# KiCad board haptic display 8x8 aisler.kicad_pcb (continued)
## Routing (per net, layer and track width the routed paths; a pad name or vN(x,y) marks a point on that pad's centre or on a via; arc(x,y) is an arc through that point) (continued)
  In2.Cu w0.15: 50.41,123.98 50.36,123.96 50,123.6 50,123.55 49.79,123.56 49.59,123.6 49.39,123.67 49.2,123.76 49.03,123.88 48.88,124.03 48.75,124.19 48.64,124.38 48.56,124.58 48.51,124.79 48.49,125 48.5,125.22 48.54,125.43 48.61,125.64 48.71,125.83 48.84,126.01 48.99,126.17 49.16,126.31 49.35,126.42 49.56,126.5 49.78,126.55 50,126.58 50.22,126.56 50.45,126.52 50.66,126.45 50.86,126.34 51.05,126.21 51.22,126.05 51.36,125.87 51.47,125.67 51.56,125.46 51.62,125.23 51.64,125 51.63,124.77 51.58,124.54 51.51,124.31 51.4,124.1 51.26,123.91 51.09,123.74 50.91,123.59 50.7,123.47 50.48,123.38 50.24,123.32 50,123.3 49.78,123.31 49.56,123.35 49.34,123.41 49.14,123.51 48.95,123.63 48.78,123.78 48.62,123.94 48.49,124.13 48.39,124.33 48.31,124.55 48.26,124.77 48.24,125 48.25,125.23 48.29,125.46 48.36,125.68 48.46,125.89 48.58,126.09 48.73,126.27 48.9,126.43 49.1,126.56 49.31,126.67 49.53,126.75 49.76,126.8 50,126.83 50.24,126.81 50.48,126.77 50.7,126.7 50.92,126.6 51.13,126.47 51.31,126.31 51.48,126.13 51.62,125.93 51.73,125.72 51.81,125.49 51.87,125.25 51.89,125 51.88,124.75 51.83,124.51 51.76,124.27 51.65,124.05 51.52,123.84 51.36,123.64 51.17,123.47 50.96,123.33 50.74,123.21 50.5,123.13 50.25,123.07 50,123.05 49.76,123.06 49.53,123.1 49.3,123.16 49.08,123.26 48.88,123.38 48.69,123.52 48.52,123.68 48.36,123.87 48.24,124.07 48.13,124.29 48.06,124.52 48.01,124.76 47.99,125 48,125.24 48.04,125.48 48.1,125.72 48.2,125.94 48.32,126.16 48.47,126.35 48.64,126.53 48.83,126.69 49.04,126.82 49.27,126.93 49.51,127.01 49.75,127.06 50,127.08 50.25,127.06 50.5,127.02 50.74,126.95 50.97,126.85 51.19,126.73 51.4,126.57 51.58,126.4 51.74,126.2 51.88,125.98 51.99,125.75 52.07,125.51 52.12,125.26 52.14,125 52.13,124.74 52.08,124.49 52.01,124.24 51.91,124 51.78,123.77 51.62,123.56 51.44,123.37 51.24,123.21 51.01,123.07 50.78,122.96 50.52,122.87 50.26,122.82 50,122.8 49.75,122.81 49.51,122.85 49.27,122.91 49.04,123 48.82,123.12 48.61,123.26 48.42,123.42 48.25,123.61 48.1,123.81 47.98,124.03 47.88,124.26 47.8,124.5 47.76,124.75 47.74,125 47.75,125.25 47.79,125.51 47.85,125.75 47.95,125.99 48.07,126.22 48.21,126.43 48.38,126.62 48.57,126.8 48.77,126.95 49,127.08 49.24,127.18 49.48,127.26 49.74,127.31 50,127.33 50.26,127.31 50.52,127.28 50.77,127.21 51.02,127.11 51.25,126.99 51.47,126.84 51.67,126.67 51.85,126.47 52,126.26 52.13,126.03 52.24,125.78 52.32,125.53 52.37,125.27 52.39,125 52.38,124.73 52.34,124.47 52.27,124.21 52.17,123.96 52.04,123.72 51.89,123.49 51.71,123.29 51.51,123.11 51.29,122.94 51.06,122.81 50.8,122.7 50.54,122.62 50.27,122.57 50,122.55 49.74,122.56 49.49,122.6 49.24,122.66 49,122.75 48.76,122.86 48.55,123 48.34,123.16 48.15,123.34 47.99,123.54 47.84,123.75 47.72,123.98 47.62,124.23 47.55,124.48 47.51,124.74 47.49,125 47.5,125.26 47.53,125.52 47.6,125.78 47.69,126.03 47.81,126.27 47.95,126.49 48.11,126.7 48.3,126.89 48.5,127.06 48.72,127.21 48.96,127.34 49.21,127.44 49.47,127.51 49.73,127.56 50,127.58 50.27,127.57 50.54,127.53 50.8,127.46 51.05,127.37 51.3,127.25 51.53,127.1 51.74,126.94 51.94,126.75 52.11,126.54 52.27,126.31 52.39,126.07 52.5,125.81 52.57,125.55 52.62,125.28 52.64,125 52.63,124.72 52.59,124.45 52.52,124.18 52.42,123.92 52.3,123.67 52.15,123.44 51.98,123.22 51.79,123.02 51.57,122.84 51.34,122.68 51.09,122.55 50.83,122.44 50.56,122.37 50.28,122.32 50,122.3 49.73,122.31 49.47,122.34 49.21,122.41 48.96,122.49 48.72,122.6 48.49,122.74 48.27,122.89 48.07,123.07 47.89,123.26 47.72,123.48 47.58,123.71 47.46,123.95 47.37,124.2 47.3,124.46 47.25,124.73 47.24,125 47.25,125.27 47.28,125.54 47.35,125.81 47.43,126.06 47.55,126.31 47.68,126.55 47.84,126.77 48.02,126.98 48.23,127.16 48.44,127.33 48.68,127.47 48.92,127.6 49.18,127.69 49.45,127.76 49.72,127.81 50,127.83 50.28,127.82 50.55,127.78 50.82,127.71 51.09,127.62 51.34,127.51 51.58,127.37 51.81,127.2 52.02,127.02 52.21,126.81 52.38,126.59 52.53,126.35 52.65,126.1 52.75,125.83 52.82,125.56 52.87,125.28 52.89,125 52.88,124.72 52.84,124.44 52.77,124.16 52.68,123.89 52.56,123.63 52.42,123.38 52.25,123.15 52.06,122.94 51.85,122.74 51.63,122.57 51.38,122.42 51.12,122.29 50.85,122.19 50.57,122.11 50.29,122.07 50,122.05 49.73,122.06 49.46,122.09 49.19,122.15 48.93,122.24 48.68,122.34 48.44,122.47 48.21,122.63 47.99,122.8 47.8,122.99 47.62,123.2 47.46,123.43 47.32,123.67 47.2,123.92 47.11,124.18 47.05,124.45 47,124.72 46.99,125 47,125.28 47.03,125.55 47.09,125.83 47.18,126.09 47.29,126.35 47.42,126.6 47.58,126.83 47.75,127.05 47.95,127.25 48.16,127.43 48.39,127.6 48.64,127.74 48.89,127.85 49.16,127.95 49.44,128.02 49.72,128.06 50,128.07 50.28,128.07 50.57,128.03 50.84,127.97 51.12,127.88 51.38,127.77 51.63,127.63 51.87,127.47 52.09,127.29 52.3,127.09 52.48,126.88 52.65,126.64 52.79,126.39 52.91,126.13 53.01,125.86 53.08,125.58 53.12,125.29 53.14,125 53.13,124.71 53.09,124.42 53.03,124.14 52.94,123.86 52.83,123.59 52.69,123.34 52.52,123.09 52.34,122.87 52.14,122.66 51.91,122.47 51.67,122.3 51.42,122.15 51.15,122.03 50.87,121.93 50.59,121.86 50.29,121.82 50,121.8 49.72,121.81 49.44,121.84 49.17,121.9 48.9,121.98 48.64,122.08 48.39,122.21 48.15,122.36 47.93,122.53 47.72,122.72 47.52,122.92 47.35,123.14 47.19,123.38 47.06,123.63 46.95,123.89 46.86,124.16 46.79,124.43 46.75,124.72 46.74,125 46.75,125.28 46.78,125.57 46.84,125.85 46.92,126.12 47.03,126.39 47.16,126.64 47.31,126.89 47.48,127.11 47.67,127.33 47.88,127.53 48.11,127.7 48.35,127.86 48.6,128 48.87,128.11 49.14,128.2 49.42,128.27 49.71,128.31 50,128.32 50.29,128.32 50.58,128.28 50.86,128.22 51.14,128.14 51.41,128.03 51.67,127.9 51.92,127.74 52.16,127.57 52.37,127.37 52.57,127.16 52.75,126.93 52.92,126.68 53.05,126.42 53.17,126.15 53.26,125.87 53.33,125.59 53.37,125.29 53.39,125 53.38,124.7 53.34,124.41 53.28,124.12 53.2,123.84 53.09,123.56 52.95,123.3 52.79,123.04 52.62,122.8 52.42,122.58 52.2,122.38 51.96,122.19 51.71,122.03 51.45,121.89 51.18,121.77 50.89,121.68 50.6,121.61 50.3,121.57 50,121.55 49.71,121.56 49.43,121.59 49.15,121.65 48.88,121.72 48.61,121.83 48.35,121.95 48.1,122.09 47.86,122.26 47.64,122.44 47.44,122.64 47.25,122.86 47.08,123.09 46.93,123.34 46.8,123.6 46.69,123.86 46.6,124.14 46.54,124.42 46.5,124.71 46.49,125 46.5,125.29 46.53,125.58 46.59,125.86 46.67,126.14 46.77,126.42 46.89,126.68 47.04,126.93 47.21,127.17 47.39,127.4 47.6,127.61 47.82,127.8 48.06,127.97 48.31,128.13 48.57,128.26 48.84,128.37 49.12,128.46 49.41,128.52 49.71,128.56 50,128.57 50.3,128.57 50.59,128.53 50.88,128.48 51.17,128.39 51.44,128.29 51.71,128.16 51.97,128.01 52.21,127.84 52.44,127.65 52.65,127.44 52.85,127.22 53.03,126.98 53.18,126.72 53.32,126.45 53.43,126.18 53.52,125.89 53.58,125.6 53.62,125.3 53.64,125 53.63,124.7 53.59,124.4 53.54,124.1 53.45,123.81 53.35,123.53 53.22,123.26 53.06,123 52.89,122.75 52.7,122.52 52.49,122.3 52.26,122.1 52.01,121.92 51.75,121.76 51.48,121.63 51.2,121.51 50.91,121.42 50.61,121.36 50.31,121.32 50,121.3 49.71,121.31 49.42,121.34 49.13,121.39 48.85,121.47 48.58,121.57 48.31,121.69 48.06,121.83 47.81,121.99 47.58,122.17 47.36,122.36 47.16,122.57 46.98,122.8 46.81,123.05 46.66,123.3 46.54,123.57 46.43,123.84 46.35,124.12 46.29,124.41 46.25,124.71 46.24,125 46.25,125.3 46.28,125.59 46.33,125.88 46.41,126.17 46.51,126.45 46.63,126.72 46.77,126.98 46.94,127.23 47.12,127.46 47.32,127.68 47.53,127.89 47.77,128.07 48.01,128.24 48.27,128.39 48.54,128.52 48.82,128.63 49.11,128.71 49.4,128.77 49.7,128.81 50,128.82 50.3,128.82 50.6,128.78 50.9,128.73 51.19,128.65 51.47,128.55 51.75,128.42 52.01,128.28 52.26,128.11 52.5,127.93 52.73,127.73 52.93,127.51 53.12,127.27 53.3,127.02 53.45,126.76 53.58,126.48 53.69,126.2 53.77,125.91 53.83,125.61 53.87,125.3 53.89,125 53.88,124.69 53.85,124.39 53.79,124.09 53.71,123.79 53.61,123.51 53.48,123.23 53.33,122.96 53.17,122.7 52.98,122.46 52.77,122.23 52.55,122.02 52.31,121.82 52.05,121.65 51.78,121.5 51.51,121.37 51.22,121.26 50.92,121.17 50.62,121.1 50.31,121.07 50,121.05 49.7,121.06 49.41,121.09 49.12,121.14 48.83,121.21 48.55,121.31 48.28,121.43 48.01,121.56 47.76,121.72 47.52,121.89 47.29,122.08 47.08,122.29 46.88,122.51 46.7,122.75 46.54,123 46.4,123.27 46.28,123.54 46.18,123.82 46.1,124.11 46.04,124.4 46,124.7 45.99,125 46,125.3 46.03,125.6 46.08,125.89 46.15,126.19 46.25,126.47 46.37,126.75 46.51,127.02 46.67,127.27 46.84,127.52 47.04,127.75 47.25,127.97 47.48,128.17 47.72,128.35 47.97,128.51 48.24,128.66 48.52,128.78 48.8,128.88 49.1,128.96 49.39,129.02 49.7,129.06 50,129.07 50.3,129.07 50.61,129.04 50.91,128.98 51.2,128.91 51.49,128.81 51.78,128.69 52.05,128.55 52.31,128.39 52.56,128.21 52.79,128.01 53.01,127.79 53.21,127.56 53.4,127.32 53.57,127.06 53.71,126.79 53.84,126.51 53.94,126.22 54.03,125.92 54.09,125.62 54.12,125.31 54.14,125 54.13,124.69 54.1,124.38 54.04,124.08 53.97,123.78 53.87,123.48 53.74,123.2 53.6,122.92 53.44,122.66 53.26,122.4 53.05,122.17 52.84,121.94 52.6,121.74 52.35,121.55 52.09,121.38 51.81,121.23 51.53,121.1 51.23,121 50.93,120.91 50.63,120.85 50.31,120.81 50,120.8 49.7,120.81 49.4,120.84 49.11,120.89 48.81,120.96 48.53,121.05 48.25,121.16 47.98,121.3 47.72,121.45 47.47,121.62 47.23,121.8 47.01,122.01 46.8,122.23 46.61,122.46 46.43,122.71 46.28,122.97 46.14,123.24 46.02,123.52 45.92,123.8 45.84,124.1 45.79,124.39 45.75,124.7 45.74,125 45.75,125.3 45.78,125.61 45.83,125.91 45.9,126.2 45.99,126.49 46.11,126.78 46.24,127.05 46.4,127.32 46.57,127.57 46.76,127.81 46.96,128.04 47.19,128.25 47.42,128.44 47.67,128.62 47.94,128.78 48.21,128.92 48.49,129.04 48.78,129.14 49.08,129.22 49.39,129.28 49.69,129.31 50,129.32 50.31,129.32 50.62,129.29 50.92,129.23 51.22,129.16 51.52,129.07 51.8,128.95 52.08,128.81 52.35,128.66 52.61,128.48 52.85,128.29 53.08,128.08 53.29,127.85 53.49,127.61 53.67,127.36 53.83,127.09 53.98,126.82 54.1,126.53 54.2,126.23 54.28,125.93 54.34,125.62 54.37,125.31 54.39,125 54.38,124.69 54.35,124.37 54.3,124.07 54.22,123.76 54.12,123.46 54.01,123.17 53.87,122.89 53.71,122.62 53.53,122.36 53.34,122.11 53.12,121.88 52.9,121.66 52.65,121.46 52.39,121.28 52.12,121.11 51.84,120.97 51.55,120.84 51.25,120.74 50.94,120.66 50.63,120.6 50.32,120.56 50,120.55 50,120.35 v1(50.35,120) ; 50.41,108.98 50.36,108.96 50,108.6 50,108.55 49.79,108.56 49.59,108.6 49.39,108.67 49.2,108.76 49.03,108.88 48.88,109.03 48.75,109.19 48.64,109.38 48.56,109.58 48.51,109.79 48.49,110 48.5,110.22 48.54,110.43 48.61,110.64 48.71,110.83 48.84,111.01 48.99,111.17 49.16,111.31 49.35,111.42 49.56,111.5 49.78,111.55 50,111.58 50.22,111.56 50.45,111.52 50.66,111.45 50.86,111.34 51.05,111.21 51.22,111.05 51.36,110.87 51.47,110.67 51.56,110.46 51.62,110.23 51.64,110 51.63,109.77 51.58,109.54 51.51,109.31 51.4,109.1 51.26,108.91 51.09,108.74 50.91,108.59 50.7,108.47 50.48,108.38 50.24,108.32 50,108.3 49.78,108.31 49.56,108.35 49.34,108.41 49.14,108.51 48.95,108.63 48.78,108.78 48.62,108.94 48.49,109.13 48.39,109.33 48.31,109.55 48.26,109.77 48.24,110 48.25,110.23 48.29,110.46 48.36,110.68 48.46,110.89 48.58,111.09 48.73,111.27 48.9,111.43 49.1,111.56 49.31,111.67 49.53,111.75 49.76,111.8 50,111.83 50.24,111.81 50.48,111.77 50.7,111.7 50.92,111.6 51.13,111.47 51.31,111.31 51.48,111.13 51.62,110.93 51.73,110.72 51.81,110.49 51.87,110.25 51.89,110 51.88,109.75 51.83,109.51 51.76,109.27 51.65,109.05 51.52,108.84 51.36,108.64 51.17,108.47 50.96,108.33 50.74,108.21 50.5,108.13 50.25,108.07 50,108.05 49.76,108.06 49.53,108.1 49.3,108.16 49.08,108.26 48.88,108.38 48.69,108.52 48.52,108.68 48.36,108.87 48.24,109.07 48.13,109.29 48.06,109.52 48.01,109.76 47.99,110 48,110.24 48.04,110.48 48.1,110.72 48.2,110.94 48.32,111.16 48.47,111.35 48.64,111.53 48.83,111.69 49.04,111.82 49.27,111.93 49.51,112.01 49.75,112.06 50,112.08 50.25,112.06 50.5,112.02 50.74,111.95 50.97,111.85 51.19,111.73 51.4,111.57 51.58,111.4 51.74,111.2 51.88,110.98 51.99,110.75 52.07,110.51 52.12,110.26 52.14,110 52.13,109.74 52.08,109.49 52.01,109.24 51.91,109 51.78,108.77 51.62,108.56 51.44,108.37 51.24,108.21 51.01,108.07 50.78,107.96 50.52,107.87 50.26,107.82 50,107.8 49.75,107.81 49.51,107.85 49.27,107.91 49.04,108 48.82,108.12 48.61,108.26 48.42,108.42 48.25,108.61 48.1,108.81 47.98,109.03 47.88,109.26 47.8,109.5 47.76,109.75 47.74,110 47.75,110.25 47.79,110.51 47.85,110.75 47.95,110.99 48.07,111.22 48.21,111.43 48.38,111.62 48.57,111.8 48.77,111.95 49,112.08 49.24,112.18 49.48,112.26 49.74,112.31 50,112.33 50.26,112.31 50.52,112.28 50.77,112.21 51.02,112.11 51.25,111.99 51.47,111.84 51.67,111.67 51.85,111.47 52,111.26 52.13,111.03 52.24,110.78 52.32,110.53 52.37,110.27 52.39,110 52.38,109.73 52.34,109.47 52.27,109.21 52.17,108.96 52.04,108.72 51.89,108.49 51.71,108.29 51.51,108.11 51.29,107.94 51.06,107.81 50.8,107.7 50.54,107.62 50.27,107.57 50,107.55 49.74,107.56 49.49,107.6 49.24,107.66 49,107.75 48.76,107.86 48.55,108 48.34,108.16 48.15,108.34 47.99,108.54 47.84,108.75 47.72,108.98 47.62,109.23 47.55,109.48 47.51,109.74 47.49,110 47.5,110.26 47.53,110.52 47.6,110.78 47.69,111.03 47.81,111.27 47.95,111.49 48.11,111.7 48.3,111.89 48.5,112.06 48.72,112.21 48.96,112.34 49.21,112.44 49.47,112.51 49.73,112.56 50,112.58 50.27,112.57 50.54,112.53 50.8,112.46 51.05,112.37 51.3,112.25 51.53,112.1 51.74,111.94 51.94,111.75 52.11,111.54 52.27,111.31 52.39,111.07 52.5,110.81 52.57,110.55 52.62,110.28 52.64,110 52.63,109.72 52.59,109.45 52.52,109.18 52.42,108.92 52.3,108.67 52.15,108.44 51.98,108.22 51.79,108.02 51.57,107.84 51.34,107.68 51.09,107.55 50.83,107.44 50.56,107.37 50.28,107.32 50,107.3 49.73,107.31 49.47,107.34 49.21,107.41 48.96,107.49 48.72,107.6 48.49,107.74 48.27,107.89 48.07,108.07 47.89,108.26 47.72,108.48 47.58,108.71 47.46,108.95 47.37,109.2 47.3,109.46 47.25,109.73 47.24,110 47.25,110.27 47.28,110.54 47.35,110.81 47.43,111.06 47.55,111.31 47.68,111.55 47.84,111.77 48.02,111.98 48.23,112.16 48.44,112.33 48.68,112.47 48.92,112.6 49.18,112.69 49.45,112.76 49.72,112.81 50,112.83 50.28,112.82 50.55,112.78 50.82,112.71 51.09,112.62 51.34,112.51 51.58,112.37 51.81,112.2 52.02,112.02 52.21,111.81 52.38,111.59 52.53,111.35 52.65,111.1 52.75,110.83 52.82,110.56 52.87,110.28 52.89,110 52.88,109.72 52.84,109.44 52.77,109.16 52.68,108.89 52.56,108.63 52.42,108.38 52.25,108.15 52.06,107.94 51.85,107.74 51.63,107.57 51.38,107.42 51.12,107.29 50.85,107.19 50.57,107.11 50.29,107.07 50,107.05 49.73,107.06 49.46,107.09 49.19,107.15 48.93,107.24 48.68,107.34 48.44,107.47 48.21,107.63 47.99,107.8 47.8,107.99 47.62,108.2 47.46,108.43 47.32,108.67 47.2,108.92 47.11,109.18 47.05,109.45 47,109.72 46.99,110 47,110.28 47.03,110.55 47.09,110.83 47.18,111.09 47.29,111.35 47.42,111.6 47.58,111.83 47.75,112.05 47.95,112.25 48.16,112.43 48.39,112.6 48.64,112.74 48.89,112.85 49.16,112.95 49.44,113.02 49.72,113.06 50,113.08 50.28,113.07 50.57,113.03 50.84,112.97 51.12,112.88 51.38,112.77 51.63,112.63 51.87,112.47 52.09,112.29 52.3,112.09 52.48,111.88 52.65,111.64 52.79,111.39 52.91,111.13 53.01,110.86 53.08,110.58 53.12,110.29 53.14,110 53.13,109.71 53.09,109.42 53.03,109.14 52.94,108.86 52.83,108.59 52.69,108.34 52.52,108.09 52.34,107.87 52.14,107.66 51.91,107.47 51.67,107.3 51.42,107.15 51.15,107.03 50.87,106.93 50.59,106.86 50.29,106.82 50,106.8 49.72,106.81 49.44,106.84 49.17,106.9 48.9,106.98 48.64,107.08 48.39,107.21 48.15,107.36 47.93,107.53 47.72,107.72 47.52,107.92 47.35,108.14 47.19,108.38 47.06,108.63 46.95,108.89 46.86,109.16 46.79,109.43 46.75,109.72 46.74,110 46.75,110.28 46.78,110.57 46.84,110.85 46.92,111.12 47.03,111.39 47.16,111.64 47.31,111.89 47.48,112.11 47.67,112.33 47.88,112.53 48.11,112.7 48.35,112.86 48.6,113 48.87,113.11 49.14,113.2 49.42,113.27 49.71,113.31 50,113.33 50.29,113.32 50.58,113.28 50.86,113.22 51.14,113.14 51.41,113.03 51.67,112.9 51.92,112.74 52.16,112.57 52.37,112.37 52.57,112.16 52.75,111.93 52.92,111.68 53.05,111.42 53.17,111.15 53.26,110.87 53.33,110.59 53.37,110.29 53.39,110 53.38,109.7 53.34,109.41 53.28,109.12 53.2,108.84 53.09,108.56 52.95,108.3 52.79,108.04 52.62,107.8 52.42,107.58 52.2,107.38 51.96,107.19 51.71,107.03 51.45,106.89 51.18,106.77 50.89,106.68 50.6,106.61 50.3,106.57 50,106.55 49.71,106.56 49.43,106.59 49.15,106.65 48.88,106.72 48.61,106.83 48.35,106.95 48.1,107.09 47.86,107.26 47.64,107.44 47.44,107.64 47.25,107.86 47.08,108.09 46.93,108.34 46.8,108.6 46.69,108.86 46.6,109.14 46.54,109.42 46.5,109.71 46.49,110 46.5,110.29 46.53,110.58 46.59,110.86 46.67,111.14 46.77,111.42 46.89,111.68 47.04,111.93 47.21,112.17 47.39,112.4 47.6,112.61 47.82,112.8 48.06,112.97 48.31,113.13 48.57,113.26 48.84,113.37 49.12,113.46 49.41,113.52 49.71,113.56 50,113.58 50.3,113.57 50.59,113.53 50.88,113.48 51.17,113.39 51.44,113.29 51.71,113.16 51.97,113.01 52.21,112.84 52.44,112.65 52.65,112.44 52.85,112.22 53.03,111.98 53.18,111.72 53.32,111.45 53.43,111.18 53.52,110.89 53.58,110.6 53.62,110.3 53.64,110 53.63,109.7 53.59,109.4 53.54,109.1 53.45,108.81 53.35,108.53 53.22,108.26 53.06,108 52.89,107.75 52.7,107.52 52.49,107.3 52.26,107.1 52.01,106.92 51.75,106.76 51.48,106.63 51.2,106.51 50.91,106.42 50.61,106.36 50.31,106.32 50,106.3 49.71,106.31 49.42,106.34 49.13,106.39 48.85,106.47 48.58,106.57 48.31,106.69 48.06,106.83 47.81,106.99 47.58,107.17 47.36,107.36 47.16,107.57 46.98,107.8 46.81,108.05 46.66,108.3 46.54,108.57 46.43,108.84 46.35,109.12 46.29,109.41 46.25,109.71 46.24,110 46.25,110.3 46.28,110.59 46.33,110.88 46.41,111.17 46.51,111.45 46.63,111.72 46.77,111.98 46.94,112.23 47.12,112.46 47.32,112.68 47.53,112.89 47.77,113.07 48.01,113.24 48.27,113.39 48.54,113.52 48.82,113.63 49.11,113.71 49.4,113.77 49.7,113.81 50,113.83 50.3,113.82 50.6,113.78 50.9,113.73 51.19,113.65 51.47,113.55 51.75,113.42 52.01,113.28 52.26,113.11 52.5,112.93 52.73,112.73 52.93,112.51 53.12,112.27 53.3,112.02 53.45,111.76 53.58,111.48 53.69,111.2 53.77,110.91 53.83,110.61 53.87,110.3 53.89,110 53.88,109.69 53.85,109.39 53.79,109.09 53.71,108.79 53.61,108.51 53.48,108.23 53.33,107.96 53.17,107.7 52.98,107.46 52.77,107.23 52.55,107.02 52.31,106.82 52.05,106.65 51.78,106.5 51.51,106.37 51.22,106.26 50.92,106.17 50.62,106.1 50.31,106.07 50,106.05 49.7,106.06 49.41,106.09 49.12,106.14 48.83,106.21 48.55,106.31 48.28,106.43 48.01,106.56 47.76,106.72 47.52,106.89 47.29,107.08 47.08,107.29 46.88,107.51 46.7,107.75 46.54,108 46.4,108.27 46.28,108.54 46.18,108.82 46.1,109.11 46.04,109.4 46,109.7 45.99,110 46,110.3 46.03,110.6 46.08,110.89 46.15,111.19 46.25,111.47 46.37,111.75 46.51,112.02 46.67,112.27 46.84,112.52 47.04,112.75 47.25,112.97 47.48,113.17 47.72,113.35 47.97,113.51 48.24,113.66 48.52,113.78 48.8,113.88 49.1,113.96 49.39,114.02 49.7,114.06 50,114.08 50.3,114.07 50.61,114.04 50.91,113.98 51.2,113.91 51.49,113.81 51.78,113.69 52.05,113.55 52.31,113.39 52.56,113.21 52.79,113.01 53.01,112.79 53.21,112.56 53.4,112.32 53.57,112.06 53.71,111.79 53.84,111.51 53.94,111.22 54.03,110.92 54.09,110.62 54.12,110.31 54.14,110 54.13,109.69 54.1,109.38 54.04,109.08 53.97,108.78 53.87,108.48 53.74,108.2 53.6,107.92 53.44,107.66 53.26,107.4 53.05,107.17 52.84,106.94 52.6,106.74 52.35,106.55 52.09,106.38 51.81,106.23 51.53,106.1 51.23,106 50.93,105.91 50.63,105.85 50.31,105.81 50,105.8 49.7,105.81 49.4,105.84 49.11,105.89 48.81,105.96 48.53,106.05 48.25,106.16 47.98,106.3 47.72,106.45 47.47,106.62 47.23,106.8 47.01,107.01 46.8,107.23 46.61,107.46 46.43,107.71 46.28,107.97 46.14,108.24 46.02,108.52 45.92,108.8 45.84,109.1 45.79,109.39 45.75,109.7 45.74,110 45.75,110.3 45.78,110.61 45.83,110.91 45.9,111.2 45.99,111.49 46.11,111.78 46.24,112.05 46.4,112.32 46.57,112.57 46.76,112.81 46.96,113.04 47.19,113.25 47.42,113.44 47.67,113.62 47.94,113.78 48.21,113.92 48.49,114.04 48.78,114.14 49.08,114.22 49.39,114.28 49.69,114.31 50,114.33 50.31,114.32 50.62,114.29 50.92,114.23 51.22,114.16 51.52,114.07 51.8,113.95 52.08,113.81 52.35,113.66 52.61,113.48 52.85,113.29 53.08,113.08 53.29,112.85 53.49,112.61 53.67,112.36 53.83,112.09 53.98,111.82 54.1,111.53 54.2,111.23 54.28,110.93 54.34,110.62 54.37,110.31 54.39,110 54.38,109.69 54.35,109.37 54.3,109.07 54.22,108.76 54.12,108.46 54.01,108.17 53.87,107.89 53.71,107.62 53.53,107.36 53.34,107.11 53.12,106.88 52.9,106.66 52.65,106.46 52.39,106.28 52.12,106.11 51.84,105.97 51.55,105.84 51.25,105.74 50.94,105.66 50.63,105.6 50.32,105.56 50,105.55 50,105.35 v1(50.35,105) ; 50.41,93.98 50.36,93.96 50,93.6 50,93.55 49.79,93.56 49.59,93.6 49.39,93.67 49.2,93.76 49.03,93.88 48.88,94.03 48.75,94.19 48.64,94.38 48.56,94.58 48.51,94.79 48.49,95 48.5,95.22 48.54,95.43 48.61,95.64 48.71,95.83 48.84,96.01 48.99,96.17 49.16,96.31 49.35,96.42 49.56,96.5 49.78,96.55 50,96.58 50.22,96.56 50.45,96.52 50.66,96.45 50.86,96.34 51.05,96.21 51.22,96.05 51.36,95.87 51.47,95.67 51.56,95.46 51.62,95.23 51.64,95 51.63,94.77 51.58,94.54 51.51,94.31 51.4,94.1 51.26,93.91 51.09,93.74 50.91,93.59 50.7,93.47 50.48,93.38 50.24,93.32 50,93.3 49.78,93.31 49.56,93.35 49.34,93.41 49.14,93.51 48.95,93.63 48.78,93.78 48.62,93.94 48.49,94.13 48.39,94.33 48.31,94.55 48.26,94.77 48.24,95 48.25,95.23 48.29,95.46 48.36,95.68 48.46,95.89 48.58,96.09 48.73,96.27 48.9,96.43 49.1,96.56 49.31,96.67 49.53,96.75 49.76,96.8 50,96.83 50.24,96.81 50.48,96.77 50.7,96.7 50.92,96.6 51.13,96.47 51.31,96.31 51.48,96.13 51.62,95.93 51.73,95.72 51.81,95.49 51.87,95.25 51.89,95 51.88,94.75 51.83,94.51 51.76,94.27 51.65,94.05 51.52,93.84 51.36,93.64 51.17,93.47 50.96,93.33 50.74,93.21 50.5,93.13 50.25,93.07 50,93.05 49.76,93.06 49.53,93.1 49.3,93.16 49.08,93.26 48.88,93.38 48.69,93.52 48.52,93.68 48.36,93.87 48.24,94.07 48.13,94.29 48.06,94.52 48.01,94.76 47.99,95 48,95.24 48.04,95.48 48.1,95.72 48.2,95.94 48.32,96.16 48.47,96.35 48.64,96.53 48.83,96.69 49.04,96.82 49.27,96.93 49.51,97.01 49.75,97.06 50,97.08 50.25,97.06 50.5,97.02 50.74,96.95 50.97,96.85 51.19,96.73 51.4,96.57 51.58,96.4 51.74,96.2 51.88,95.98 51.99,95.75 52.07,95.51 52.12,95.26 52.14,95 52.13,94.74 52.08,94.49 52.01,94.24 51.91,94 51.78,93.77 51.62,93.56 51.44,93.37 51.24,93.21 51.01,93.07 50.78,92.96 50.52,92.87 50.26,92.82 50,92.8 49.75,92.81 49.51,92.85 49.27,92.91 49.04,93 48.82,93.12 48.61,93.26 48.42,93.42 48.25,93.61 48.1,93.81 47.98,94.03 47.88,94.26 47.8,94.5 47.76,94.75 47.74,95 47.75,95.25 47.79,95.51 47.85,95.75 47.95,95.99 48.07,96.22 48.21,96.43 48.38,96.62 48.57,96.8 48.77,96.95 49,97.08 49.24,97.18 49.48,97.26 49.74,97.31 50,97.33 50.26,97.31 50.52,97.28 50.77,97.21 51.02,97.11 51.25,96.99 51.47,96.84 51.67,96.67 51.85,96.47 52,96.26 52.13,96.03 52.24,95.78 52.32,95.53 52.37,95.27 52.39,95 52.38,94.73 52.34,94.47 52.27,94.21 52.17,93.96 52.04,93.72 51.89,93.49 51.71,93.29 51.51,93.11 51.29,92.94 51.06,92.81 50.8,92.7 50.54,92.62 50.27,92.57 50,92.55 49.74,92.56 49.49,92.6 49.24,92.66 49,92.75 48.76,92.86 48.55,93 48.34,93.16 48.15,93.34 47.99,93.54 47.84,93.75 47.72,93.98 47.62,94.23 47.55,94.48 47.51,94.74 47.49,95 47.5,95.26 47.53,95.52 47.6,95.78 47.69,96.03 47.81,96.27 47.95,96.49 48.11,96.7 48.3,96.89 48.5,97.06 48.72,97.21 48.96,97.34 49.21,97.44 49.47,97.51 49.73,97.56 50,97.58 50.27,97.57 50.54,97.53 50.8,97.46 51.05,97.37 51.3,97.25 51.53,97.1 51.74,96.94 51.94,96.75 52.11,96.54 52.27,96.31 52.39,96.07 52.5,95.81 52.57,95.55 52.62,95.28 52.64,95 52.63,94.72 52.59,94.45 52.52,94.18 52.42,93.92 52.3,93.67 52.15,93.44 51.98,93.22 51.79,93.02 51.57,92.84 51.34,92.68 51.09,92.55 50.83,92.44 50.56,92.37 50.28,92.32 50,92.3 49.73,92.31 49.47,92.34 49.21,92.41 48.96,92.49 48.72,92.6 48.49,92.74 48.27,92.89 48.07,93.07 47.89,93.26 47.72,93.48 47.58,93.71 47.46,93.95 47.37,94.2 47.3,94.46 47.25,94.73 47.24,95 47.25,95.27 47.28,95.54 47.35,95.81 47.43,96.06 47.55,96.31 47.68,96.55 47.84,96.77 48.02,96.98 48.23,97.16 48.44,97.33 48.68,97.47 48.92,97.6 49.18,97.69 49.45,97.76 49.72,97.81 50,97.83 50.28,97.82 50.55,97.78 50.82,97.71 51.09,97.62 51.34,97.51 51.58,97.37 51.81,97.2 52.02,97.02 52.21,96.81 52.38,96.59 52.53,96.35 52.65,96.1 52.75,95.83 52.82,95.56 52.87,95.28 52.89,95 52.88,94.72 52.84,94.44 52.77,94.16 52.68,93.89 52.56,93.63 52.42,93.38 52.25,93.15 52.06,92.94 51.85,92.74 51.63,92.57 51.38,92.42 51.12,92.29 50.85,92.19 50.57,92.11 50.29,92.07 50,92.05 49.73,92.06 49.46,92.09 49.19,92.15 48.93,92.24 48.68,92.34 48.44,92.47 48.21,92.63 47.99,92.8 47.8,92.99 47.62,93.2 47.46,93.43 47.32,93.67 47.2,93.92 47.11,94.18 47.05,94.45 47,94.72 46.99,95 47,95.28 47.03,95.55 47.09,95.83 47.18,96.09 47.29,96.35 47.42,96.6 47.58,96.83 47.75,97.05 47.95,97.25 48.16,97.43 48.39,97.6 48.64,97.74 48.89,97.85 49.16,97.95 49.44,98.02 49.72,98.06 50,98.08 50.28,98.07 50.57,98.03 50.84,97.97 51.12,97.88 51.38,97.77 51.63,97.63 51.87,97.47 52.09,97.29 52.3,97.09 52.48,96.88 52.65,96.64 52.79,96.39 52.91,96.13 53.01,95.86 53.08,95.58 53.12,95.29 53.14,95 53.13,94.71 53.09,94.42 53.03,94.14 52.94,93.86 52.83,93.59 52.69,93.34 52.52,93.09 52.34,92.87 52.14,92.66 51.91,92.47 51.67,92.3 51.42,92.15 51.15,92.03 50.87,91.93 50.59,91.86 50.29,91.82 50,91.8 49.72,91.81 49.44,91.84 49.17,91.9 48.9,91.98 48.64,92.08 48.39,92.21 48.15,92.36 47.93,92.53 47.72,92.72 47.52,92.92 47.35,93.14 47.19,93.38 47.06,93.63 46.95,93.89 46.86,94.16 46.79,94.43 46.75,94.72 46.74,95 46.75,95.28 46.78,95.57 46.84,95.85 46.92,96.12 47.03,96.39 47.16,96.64 47.31,96.89 47.48,97.11 47.67,97.33 47.88,97.53 48.11,97.7 48.35,97.86 48.6,98 48.87,98.11 49.14,98.2 49.42,98.27 49.71,98.31 50,98.33 50.29,98.32 50.58,98.28 50.86,98.22 51.14,98.14 51.41,98.03 51.67,97.9 51.92,97.74 52.16,97.57 52.37,97.37 52.57,97.16 52.75,96.93 52.92,96.68 53.05,96.42 53.17,96.15 53.26,95.87 53.33,95.59 53.37,95.29 53.39,95 53.38,94.7 53.34,94.41 53.28,94.12 53.2,93.84 53.09,93.56 52.95,93.3 52.79,93.04 52.62,92.8 52.42,92.58 52.2,92.38 51.96,92.19 51.71,92.03 51.45,91.89 51.18,91.77 50.89,91.68 50.6,91.61 50.3,91.57 50,91.55 49.71,91.56 49.43,91.59 49.15,91.65 48.88,91.72 48.61,91.83 48.35,91.95 48.1,92.09 47.86,92.26 47.64,92.44 47.44,92.64 47.25,92.86 47.08,93.09 46.93,93.34 46.8,93.6 46.69,93.86 46.6,94.14 46.54,94.42 46.5,94.71 46.49,95 46.5,95.29 46.53,95.58 46.59,95.86 46.67,96.14 46.77,96.42 46.89,96.68 47.04,96.93 47.21,97.17 47.39,97.4 47.6,97.61 47.82,97.8 48.06,97.97 48.31,98.13 48.57,98.26 48.84,98.37 49.12,98.46 49.41,98.52 49.71,98.56 50,98.58 50.3,98.57 50.59,98.53 50.88,98.48 51.17,98.39 51.44,98.29 51.71,98.16 51.97,98.01 52.21,97.84 52.44,97.65 52.65,97.44 52.85,97.22 53.03,96.98 53.18,96.72 53.32,96.45 53.43,96.18 53.52,95.89 53.58,95.6 53.62,95.3 53.64,95 53.63,94.7 53.59,94.4 53.54,94.1 53.45,93.81 53.35,93.53 53.22,93.26 53.06,93 52.89,92.75 52.7,92.52 52.49,92.3 52.26,92.1 52.01,91.92 51.75,91.76 51.48,91.63 51.2,91.51 50.91,91.42 50.61,91.36 50.31,91.32 50,91.3 49.71,91.31 49.42,91.34 49.13,91.39 48.85,91.47 48.58,91.57 48.31,91.69 48.06,91.83 47.81,91.99 47.58,92.17 47.36,92.36 47.16,92.57 46.98,92.8 46.81,93.05 46.66,93.3 46.54,93.57 46.43,93.84 46.35,94.12 46.29,94.41 46.25,94.71 46.24,95 46.25,95.3 46.28,95.59 46.33,95.88 46.41,96.17 46.51,96.45 46.63,96.72 46.77,96.98 46.94,97.23 47.12,97.46 47.32,97.68 47.53,97.89 47.77,98.07 48.01,98.24 48.27,98.39 48.54,98.52 48.82,98.63 49.11,98.71 49.4,98.77 49.7,98.81 50,98.83 50.3,98.82 50.6,98.78 50.9,98.73 51.19,98.65 51.47,98.55 51.75,98.42 52.01,98.28 52.26,98.11 52.5,97.93 52.73,97.73 52.93,97.51 53.12,97.27 53.3,97.02 53.45,96.76 53.58,96.48 53.69,96.2 53.77,95.91 53.83,95.61 53.87,95.3 53.89,95 53.88,94.69 53.85,94.39 53.79,94.09 53.71,93.79 53.61,93.51 53.48,93.23 53.33,92.96 53.17,92.7 52.98,92.46 52.77,92.23 52.55,92.02 52.31,91.82 52.05,91.65 51.78,91.5 51.51,91.37 51.22,91.26 50.92,91.17 50.62,91.1 50.31,91.07 50,91.05 49.7,91.06 49.41,91.09 49.12,91.14 48.83,91.21 48.55,91.31 48.28,91.43 48.01,91.56 47.76,91.72 47.52,91.89 47.29,92.08 47.08,92.29 46.88,92.51 46.7,92.75 46.54,93 46.4,93.27 46.28,93.54 46.18,93.82 46.1,94.11 46.04,94.4 46,94.7 45.99,95 46,95.3 46.03,95.6 46.08,95.89 46.15,96.19 46.25,96.47 46.37,96.75 46.51,97.02 46.67,97.27 46.84,97.52 47.04,97.75 47.25,97.97 47.48,98.17 47.72,98.35 47.97,98.51 48.24,98.66 48.52,98.78 48.8,98.88 49.1,98.96 49.39,99.02 49.7,99.06 50,99.08 50.3,99.07 50.61,99.04 50.91,98.98 51.2,98.91 51.49,98.81 51.78,98.69 52.05,98.55 52.31,98.39 52.56,98.21 52.79,98.01 53.01,97.79 53.21,97.56 53.4,97.32 53.57,97.06 53.71,96.79 53.84,96.51 53.94,96.22 54.03,95.92 54.09,95.62 54.12,95.31 54.14,95 54.13,94.69 54.1,94.38 54.04,94.08 53.97,93.78 53.87,93.48 53.74,93.2 53.6,92.92 53.44,92.66 53.26,92.4 53.05,92.17 52.84,91.94 52.6,91.74 52.35,91.55 52.09,91.38 51.81,91.23 51.53,91.1 51.23,91 50.93,90.91 50.63,90.85 50.31,90.81 50,90.8 49.7,90.81 49.4,90.84 49.11,90.89 48.81,90.96 48.53,91.05 48.25,91.16 47.98,91.3 47.72,91.45 47.47,91.62 47.23,91.8 47.01,92.01 46.8,92.23 46.61,92.46 46.43,92.71 46.28,92.97 46.14,93.24 46.02,93.52 45.92,93.8 45.84,94.1 45.79,94.39 45.75,94.7 45.74,95 45.75,95.3 45.78,95.61 45.83,95.91 45.9,96.2 45.99,96.49 46.11,96.78 46.24,97.05 46.4,97.32 46.57,97.57 46.76,97.81 46.96,98.04 47.19,98.25 47.42,98.44 47.67,98.62 47.94,98.78 48.21,98.92 48.49,99.04 48.78,99.14 49.08,99.22 49.39,99.28 49.69,99.31 50,99.33 50.31,99.32 50.62,99.29 50.92,99.23 51.22,99.16 51.52,99.07 51.8,98.95 52.08,98.81 52.35,98.66 52.61,98.48 52.85,98.29 53.08,98.08 53.29,97.85 53.49,97.61 53.67,97.36 53.83,97.09 53.98,96.82 54.1,96.53 54.2,96.23 54.28,95.93 54.34,95.62 54.37,95.31 54.39,95 54.38,94.69 54.35,94.37 54.3,94.07 54.22,93.76 54.12,93.46 54.01,93.17 53.87,92.89 53.71,92.62 53.53,92.36 53.34,92.11 53.12,91.88 52.9,91.66 52.65,91.46 52.39,91.28 52.12,91.11 51.84,90.97 51.55,90.84 51.25,90.74 50.94,90.66 50.63,90.6 50.32,90.56 50,90.55 50,90.35 v1(50.35,90) ; 50.41,78.98 50.36,78.96 50,78.6 50,78.55 49.79,78.56 49.59,78.6 49.39,78.67 49.2,78.76 49.03,78.88 48.88,79.03 48.75,79.19 48.64,79.38 48.56,79.58 48.51,79.79 48.49,80 48.5,80.22 48.54,80.43 48.61,80.64 48.71,80.83 48.84,81.01 48.99,81.17 49.16,81.31 49.35,81.42 49.56,81.5 49.78,81.55 50,81.58 50.22,81.56 50.45,81.52 50.66,81.45 50.86,81.34 51.05,81.21 51.22,81.05 51.36,80.87 51.47,80.67 51.56,80.46 51.62,80.23 51.64,80 51.63,79.77 51.58,79.54 51.51,79.31 51.4,79.1 51.26,78.91 51.09,78.74 50.91,78.59 50.7,78.47 50.48,78.38 50.24,78.32 50,78.3 49.78,78.31 49.56,78.35 49.34,78.41 49.14,78.51 48.95,78.63 48.78,78.78 48.62,78.94 48.49,79.13 48.39,79.33 48.31,79.55 48.26,79.77 48.24,80 48.25,80.23 48.29,80.46 48.36,80.68 48.46,80.89 48.58,81.09 48.73,81.27 48.9,81.43 49.1,81.56 49.31,81.67 49.53,81.75 49.76,81.8 50,81.83 50.24,81.81 50.48,81.77 50.7,81.7 50.92,81.6 51.13,81.47 51.31,81.31 51.48,81.13 51.62,80.93 51.73,80.72 51.81,80.49 51.87,80.25 51.89,80 51.88,79.75 51.83,79.51 51.76,79.27 51.65,79.05 51.52,78.84 51.36,78.64 51.17,78.47 50.96,78.33 50.74,78.21 50.5,78.13 50.25,78.07 50,78.05 49.76,78.06 49.53,78.1 49.3,78.16 49.08,78.26 48.88,78.38 48.69,78.52 48.52,78.68 48.36,78.87 48.24,79.07 48.13,79.29 48.06,79.52 48.01,79.76 47.99,80 48,80.24 48.04,80.48 48.1,80.72 48.2,80.94 48.32,81.16 48.47,81.35 48.64,81.53 48.83,81.69 49.04,81.82 49.27,81.93 49.51,82.01 49.75,82.06 50,82.08 50.25,82.06 50.5,82.02 50.74,81.95 50.97,81.85 51.19,81.73 51.4,81.57 51.58,81.4 51.74,81.2 51.88,80.98 51.99,80.75 52.07,80.51 52.12,80.26 52.14,80 52.13,79.74 52.08,79.49 52.01,79.24 51.91,79 51.78,78.77 51.62,78.56 51.44,78.37 51.24,78.21 51.01,78.07 50.78,77.96 50.52,77.87 50.26,77.82 50,77.8 49.75,77.81 49.51,77.85 49.27,77.91 49.04,78 48.82,78.12 48.61,78.26 48.42,78.42 48.25,78.61 48.1,78.81 47.98,79.03 47.88,79.26 47.8,79.5 47.76,79.75 47.74,80 47.75,80.25 47.79,80.51 47.85,80.75 47.95,80.99 48.07,81.22 48.21,81.43 48.38,81.62 48.57,81.8 48.77,81.95 49,82.08 49.24,82.18 49.48,82.26 49.74,82.31 50,82.33 50.26,82.31 50.52,82.28 50.77,82.21 51.02,82.11 51.25,81.99 51.47,81.84 51.67,81.67 51.85,81.47 52,81.26 52.13,81.03 52.24,80.78 52.32,80.53 52.37,80.27 52.39,80 52.38,79.73 52.34,79.47 52.27,79.21 52.17,78.96 52.04,78.72 51.89,78.49 51.71,78.29 51.51,78.11 51.29,77.94 51.06,77.81 50.8,77.7 50.54,77.62 50.27,77.57 50,77.55 49.74,77.56 49.49,77.6 49.24,77.66 49,77.75 48.76,77.86 48.55,78 48.34,78.16 48.15,78.34 47.99,78.54 47.84,78.75 47.72,78.98 47.62,79.23 47.55,79.48 47.51,79.74 47.49,80 47.5,80.26 47.53,80.52 47.6,80.78 47.69,81.03 47.81,81.27 47.95,81.49 48.11,81.7 48.3,81.89 48.5,82.06 48.72,82.21 48.96,82.34 49.21,82.44 49.47,82.51 49.73,82.56 50,82.58 50.27,82.57 50.54,82.53 50.8,82.46 51.05,82.37 51.3,82.25 51.53,82.1 51.74,81.94 51.94,81.75 52.11,81.54 52.27,81.31 52.39,81.07 52.5,80.81 52.57,80.55 52.62,80.28 52.64,80 52.63,79.72 52.59,79.45 52.52,79.18 52.42,78.92 52.3,78.67 52.15,78.44 51.98,78.22 51.79,78.02 51.57,77.84 51.34,77.68 51.09,77.55 50.83,77.44 50.56,77.37 50.28,77.32 50,77.3 49.73,77.31 49.47,77.34 49.21,77.41 48.96,77.49 48.72,77.6 48.49,77.74 48.27,77.89 48.07,78.07 47.89,78.26 47.72,78.48 47.58,78.71 47.46,78.95 47.37,79.2 47.3,79.46 47.25,79.73 47.24,80 47.25,80.27 47.28,80.54 47.35,80.81 47.43,81.06 47.55,81.31 47.68,81.55 47.84,81.77 48.02,81.98 48.23,82.16 48.44,82.33 48.68,82.47 48.92,82.6 49.18,82.69 49.45,82.76 49.72,82.81 50,82.83 50.28,82.82 50.55,82.78 50.82,82.71 51.09,82.62 51.34,82.51 51.58,82.37 51.81,82.2 52.02,82.02 52.21,81.81 52.38,81.59 52.53,81.35 52.65,81.1 52.75,80.83 52.82,80.56 52.87,80.28 52.89,80 52.88,79.72 52.84,79.44 52.77,79.16 52.68,78.89 52.56,78.63 52.42,78.38 52.25,78.15 52.06,77.94 51.85,77.74 51.63,77.57 51.38,77.42 51.12,77.29 50.85,77.19 50.57,77.11 50.29,77.07 50,77.05 49.73,77.06 49.46,77.09 49.19,77.15 48.93,77.24 48.68,77.34 48.44,77.47 48.21,77.63 47.99,77.8 47.8,77.99 47.62,78.2 47.46,78.43 47.32,78.67 47.2,78.92 47.11,79.18 47.05,79.45 47,79.72 46.99,80 47,80.28 47.03,80.55 47.09,80.83 47.18,81.09 47.29,81.35 47.42,81.6 47.58,81.83 47.75,82.05 47.95,82.25 48.16,82.43 48.39,82.6 48.64,82.74 48.89,82.85 49.16,82.95 49.44,83.02 49.72,83.06 50,83.08 50.28,83.07 50.57,83.03 50.84,82.97 51.12,82.88 51.38,82.77 51.63,82.63 51.87,82.47 52.09,82.29 52.3,82.09 52.48,81.88 52.65,81.64 52.79,81.39 52.91,81.13 53.01,80.86 53.08,80.58 53.12,80.29 53.14,80 53.13,79.71 53.09,79.42 53.03,79.14 52.94,78.86 52.83,78.59 52.69,78.34 52.52,78.09 52.34,77.87 52.14,77.66 51.91,77.47 51.67,77.3 51.42,77.15 51.15,77.03 50.87,76.93 50.59,76.86 50.29,76.82 50,76.8 49.72,76.81 49.44,76.84 49.17,76.9 48.9,76.98 48.64,77.08 48.39,77.21 48.15,77.36 47.93,77.53 47.72,77.72 47.52,77.92 47.35,78.14 47.19,78.38 47.06,78.63 46.95,78.89 46.86,79.16 46.79,79.43 46.75,79.72 46.74,80 46.75,80.28 46.78,80.57 46.84,80.85 46.92,81.12 47.03,81.39 47.16,81.64 47.31,81.89 47.48,82.11 47.67,82.33 47.88,82.53 48.11,82.7 48.35,82.86 48.6,83 48.87,83.11 49.14,83.2 49.42,83.27 49.71,83.31 50,83.33 50.29,83.32 50.58,83.28 50.86,83.22 51.14,83.14 51.41,83.03 51.67,82.9 51.92,82.74 52.16,82.57 52.37,82.37 52.57,82.16 52.75,81.93 52.92,81.68 53.05,81.42 53.17,81.15 53.26,80.87 53.33,80.59 53.37,80.29 53.39,80 53.38,79.7 53.34,79.41 53.28,79.12 53.2,78.84 53.09,78.56 52.95,78.3 52.79,78.04 52.62,77.8 52.42,77.58 52.2,77.38 51.96,77.19 51.71,77.03 51.45,76.89 51.18,76.77 50.89,76.68 50.6,76.61 50.3,76.57 50,76.55 49.71,76.56 49.43,76.59 49.15,76.65 48.88,76.72 48.61,76.83 48.35,76.95 48.1,77.09 47.86,77.26 47.64,77.44 47.44,77.64 47.25,77.86 47.08,78.09 46.93,78.34 46.8,78.6 46.69,78.86 46.6,79.14 46.54,79.42 46.5,79.71 46.49,80 46.5,80.29 46.53,80.58 46.59,80.86 46.67,81.14 46.77,81.42 46.89,81.68 47.04,81.93 47.21,82.17 47.39,82.4 47.6,82.61 47.82,82.8 48.06,82.97 48.31,83.13 48.57,83.26 48.84,83.37 49.12,83.46 49.41,83.52 49.71,83.56 50,83.58 50.3,83.57 50.59,83.53 50.88,83.48 51.17,83.39 51.44,83.29 51.71,83.16 51.97,83.01 52.21,82.84 52.44,82.65 52.65,82.44 52.85,82.22 53.03,81.98 53.18,81.72 53.32,81.45 53.43,81.18 53.52,80.89 53.58,80.6 53.62,80.3 53.64,80 53.63,79.7 53.59,79.4 53.54,79.1 53.45,78.81 53.35,78.53 53.22,78.26 53.06,78 52.89,77.75 52.7,77.52 52.49,77.3 52.26,77.1 52.01,76.92 51.75,76.76 51.48,76.63 51.2,76.51 50.91,76.42 50.61,76.36 50.31,76.32 50,76.3 49.71,76.31 49.42,76.34 49.13,76.39 48.85,76.47 48.58,76.57 48.31,76.69 48.06,76.83 47.81,76.99 47.58,77.17 47.36,77.36 47.16,77.57 46.98,77.8 46.81,78.05 46.66,78.3 46.54,78.57 46.43,78.84 46.35,79.12 46.29,79.41 46.25,79.71 46.24,80 46.25,80.3 46.28,80.59 46.33,80.88 46.41,81.17 46.51,81.45 46.63,81.72 46.77,81.98 46.94,82.23 47.12,82.46 47.32,82.68 47.53,82.89 47.77,83.07 48.01,83.24 48.27,83.39 48.54,83.52 48.82,83.63 49.11,83.71 49.4,83.77 49.7,83.81 50,83.83 50.3,83.82 50.6,83.78 50.9,83.73 51.19,83.65 51.47,83.55 51.75,83.42 52.01,83.28 52.26,83.11 52.5,82.93 52.73,82.73 52.93,82.51 53.12,82.27 53.3,82.02 53.45,81.76 53.58,81.48 53.69,81.2 53.77,80.91 53.83,80.61 53.87,80.3 53.89,80 53.88,79.69 53.85,79.39 53.79,79.09 53.71,78.79 53.61,78.51 53.48,78.23 53.33,77.96 53.17,77.7 52.98,77.46 52.77,77.23 52.55,77.02 52.31,76.82 52.05,76.65 51.78,76.5 51.51,76.37 51.22,76.26 50.92,76.17 50.62,76.1 50.31,76.07 50,76.05 49.7,76.06 49.41,76.09 49.12,76.14 48.83,76.21 48.55,76.31 48.28,76.43 48.01,76.56 47.76,76.72 47.52,76.89 47.29,77.08 47.08,77.29 46.88,77.51 46.7,77.75 46.54,78 46.4,78.27 46.28,78.54 46.18,78.82 46.1,79.11 46.04,79.4 46,79.7 45.99,80 46,80.3 46.03,80.6 46.08,80.89 46.15,81.19 46.25,81.47 46.37,81.75 46.51,82.02 46.67,82.27 46.84,82.52 47.04,82.75 47.25,82.97 47.48,83.17 47.72,83.35 47.97,83.51 48.24,83.66 48.52,83.78 48.8,83.88 49.1,83.96 49.39,84.02 49.7,84.06 50,84.08 50.3,84.07 50.61,84.04 50.91,83.98 51.2,83.91 51.49,83.81 51.78,83.69 52.05,83.55 52.31,83.39 52.56,83.21 52.79,83.01 53.01,82.79 53.21,82.56 53.4,82.32 53.57,82.06 53.71,81.79 53.84,81.51 53.94,81.22 54.03,80.92 54.09,80.62 54.12,80.31 54.14,80 54.13,79.69 54.1,79.38 54.04,79.08 53.97,78.78 53.87,78.48 53.74,78.2 53.6,77.92 53.44,77.66 53.26,77.4 53.05,77.17 52.84,76.94 52.6,76.74 52.35,76.55 52.09,76.38 51.81,76.23 51.53,76.1 51.23,76 50.93,75.91 50.63,75.85 50.31,75.81 50,75.8 49.7,75.81 49.4,75.84 49.11,75.89 48.81,75.96 48.53,76.05 48.25,76.16 47.98,76.3 47.72,76.45 47.47,76.62 47.23,76.8 47.01,77.01 46.8,77.23 46.61,77.46 46.43,77.71 46.28,77.97 46.14,78.24 46.02,78.52 45.92,78.8 45.84,79.1 45.79,79.39 45.75,79.7 45.74,80 45.75,80.3 45.78,80.61 45.83,80.91 45.9,81.2 45.99,81.49 46.11,81.78 46.24,82.05 46.4,82.32 46.57,82.57 46.76,82.81 46.96,83.04 47.19,83.25 47.42,83.44 47.67,83.62 47.94,83.78 48.21,83.92 48.49,84.04 48.78,84.14 49.08,84.22 49.39,84.28 49.69,84.31 50,84.33 50.31,84.32 50.62,84.29 50.92,84.23 51.22,84.16 51.52,84.07 51.8,83.95 52.08,83.81 52.35,83.66 52.61,83.48 52.85,83.29 53.08,83.08 53.29,82.85 53.49,82.61 53.67,82.36 53.83,82.09 53.98,81.82 54.1,81.53 54.2,81.23 54.28,80.93 54.34,80.62 54.37,80.31 54.39,80 54.38,79.69 54.35,79.37 54.3,79.07 54.22,78.76 54.12,78.46 54.01,78.17 53.87,77.89 53.71,77.62 53.53,77.36 53.34,77.11 53.12,76.88 52.9,76.66 52.65,76.46 52.39,76.28 52.12,76.11 51.84,75.97 51.55,75.84 51.25,75.74 50.94,75.66 50.63,75.6 50.32,75.56 50,75.55 50,75.35 v1(50.35,75) ; 50.41,63.98 50.36,63.96 50,63.6 50,63.55 49.79,63.56 49.59,63.6 49.39,63.67 49.2,63.76 49.03,63.88 48.88,64.03 48.75,64.19 48.64,64.38 48.56,64.58 48.51,64.79 48.49,65 48.5,65.22 48.54,65.43 48.61,65.64 48.71,65.83 48.84,66.01 48.99,66.17 49.16,66.31 49.35,66.42 49.56,66.5 49.78,66.55 50,66.58 50.22,66.56 50.45,66.52 50.66,66.45 50.86,66.34 51.05,66.21 51.22,66.05 51.36,65.87 51.47,65.67 51.56,65.46 51.62,65.23 51.64,65 51.63,64.77 51.58,64.54 51.51,64.31 51.4,64.1 51.26,63.91 51.09,63.74 50.91,63.59 50.7,63.47 50.48,63.38 50.24,63.32 50,63.3 49.78,63.31 49.56,63.35 49.34,63.41 49.14,63.51 48.95,63.63 48.78,63.78 48.62,63.94 48.49,64.13 48.39,64.33 48.31,64.55 48.26,64.77 48.24,65 48.25,65.23 48.29,65.46 48.36,65.68 48.46,65.89 48.58,66.09 48.73,66.27 48.9,66.43 49.1,66.56 49.31,66.67 49.53,66.75 49.76,66.8 50,66.83 50.24,66.81 50.48,66.77 50.7,66.7 50.92,66.6 51.13,66.47 51.31,66.31 51.48,66.13 51.62,65.93 51.73,65.72 51.81,65.49 51.87,65.25 51.89,65 51.88,64.75 51.83,64.51 51.76,64.27 51.65,64.05 51.52,63.84 51.36,63.64 51.17,63.47 50.96,63.33 50.74,63.21 50.5,63.13 50.25,63.07 50,63.05 49.76,63.06 49.53,63.1 49.3,63.16 49.08,63.26 48.88,63.38 48.69,63.52 48.52,63.68 48.36,63.87 48.24,64.07 48.13,64.29 48.06,64.52 48.01,64.76 47.99,65 48,65.24 48.04,65.48 48.1,65.72 48.2,65.94 48.32,66.16 48.47,66.35 48.64,66.53 48.83,66.69 49.04,66.82 49.27,66.93 49.51,67.01 49.75,67.06 50,67.08 50.25,67.06 50.5,67.02 50.74,66.95 50.97,66.85 